# Altium PCB 2019.07.17.master.PcbDoc (part 2 of 6) (continued)
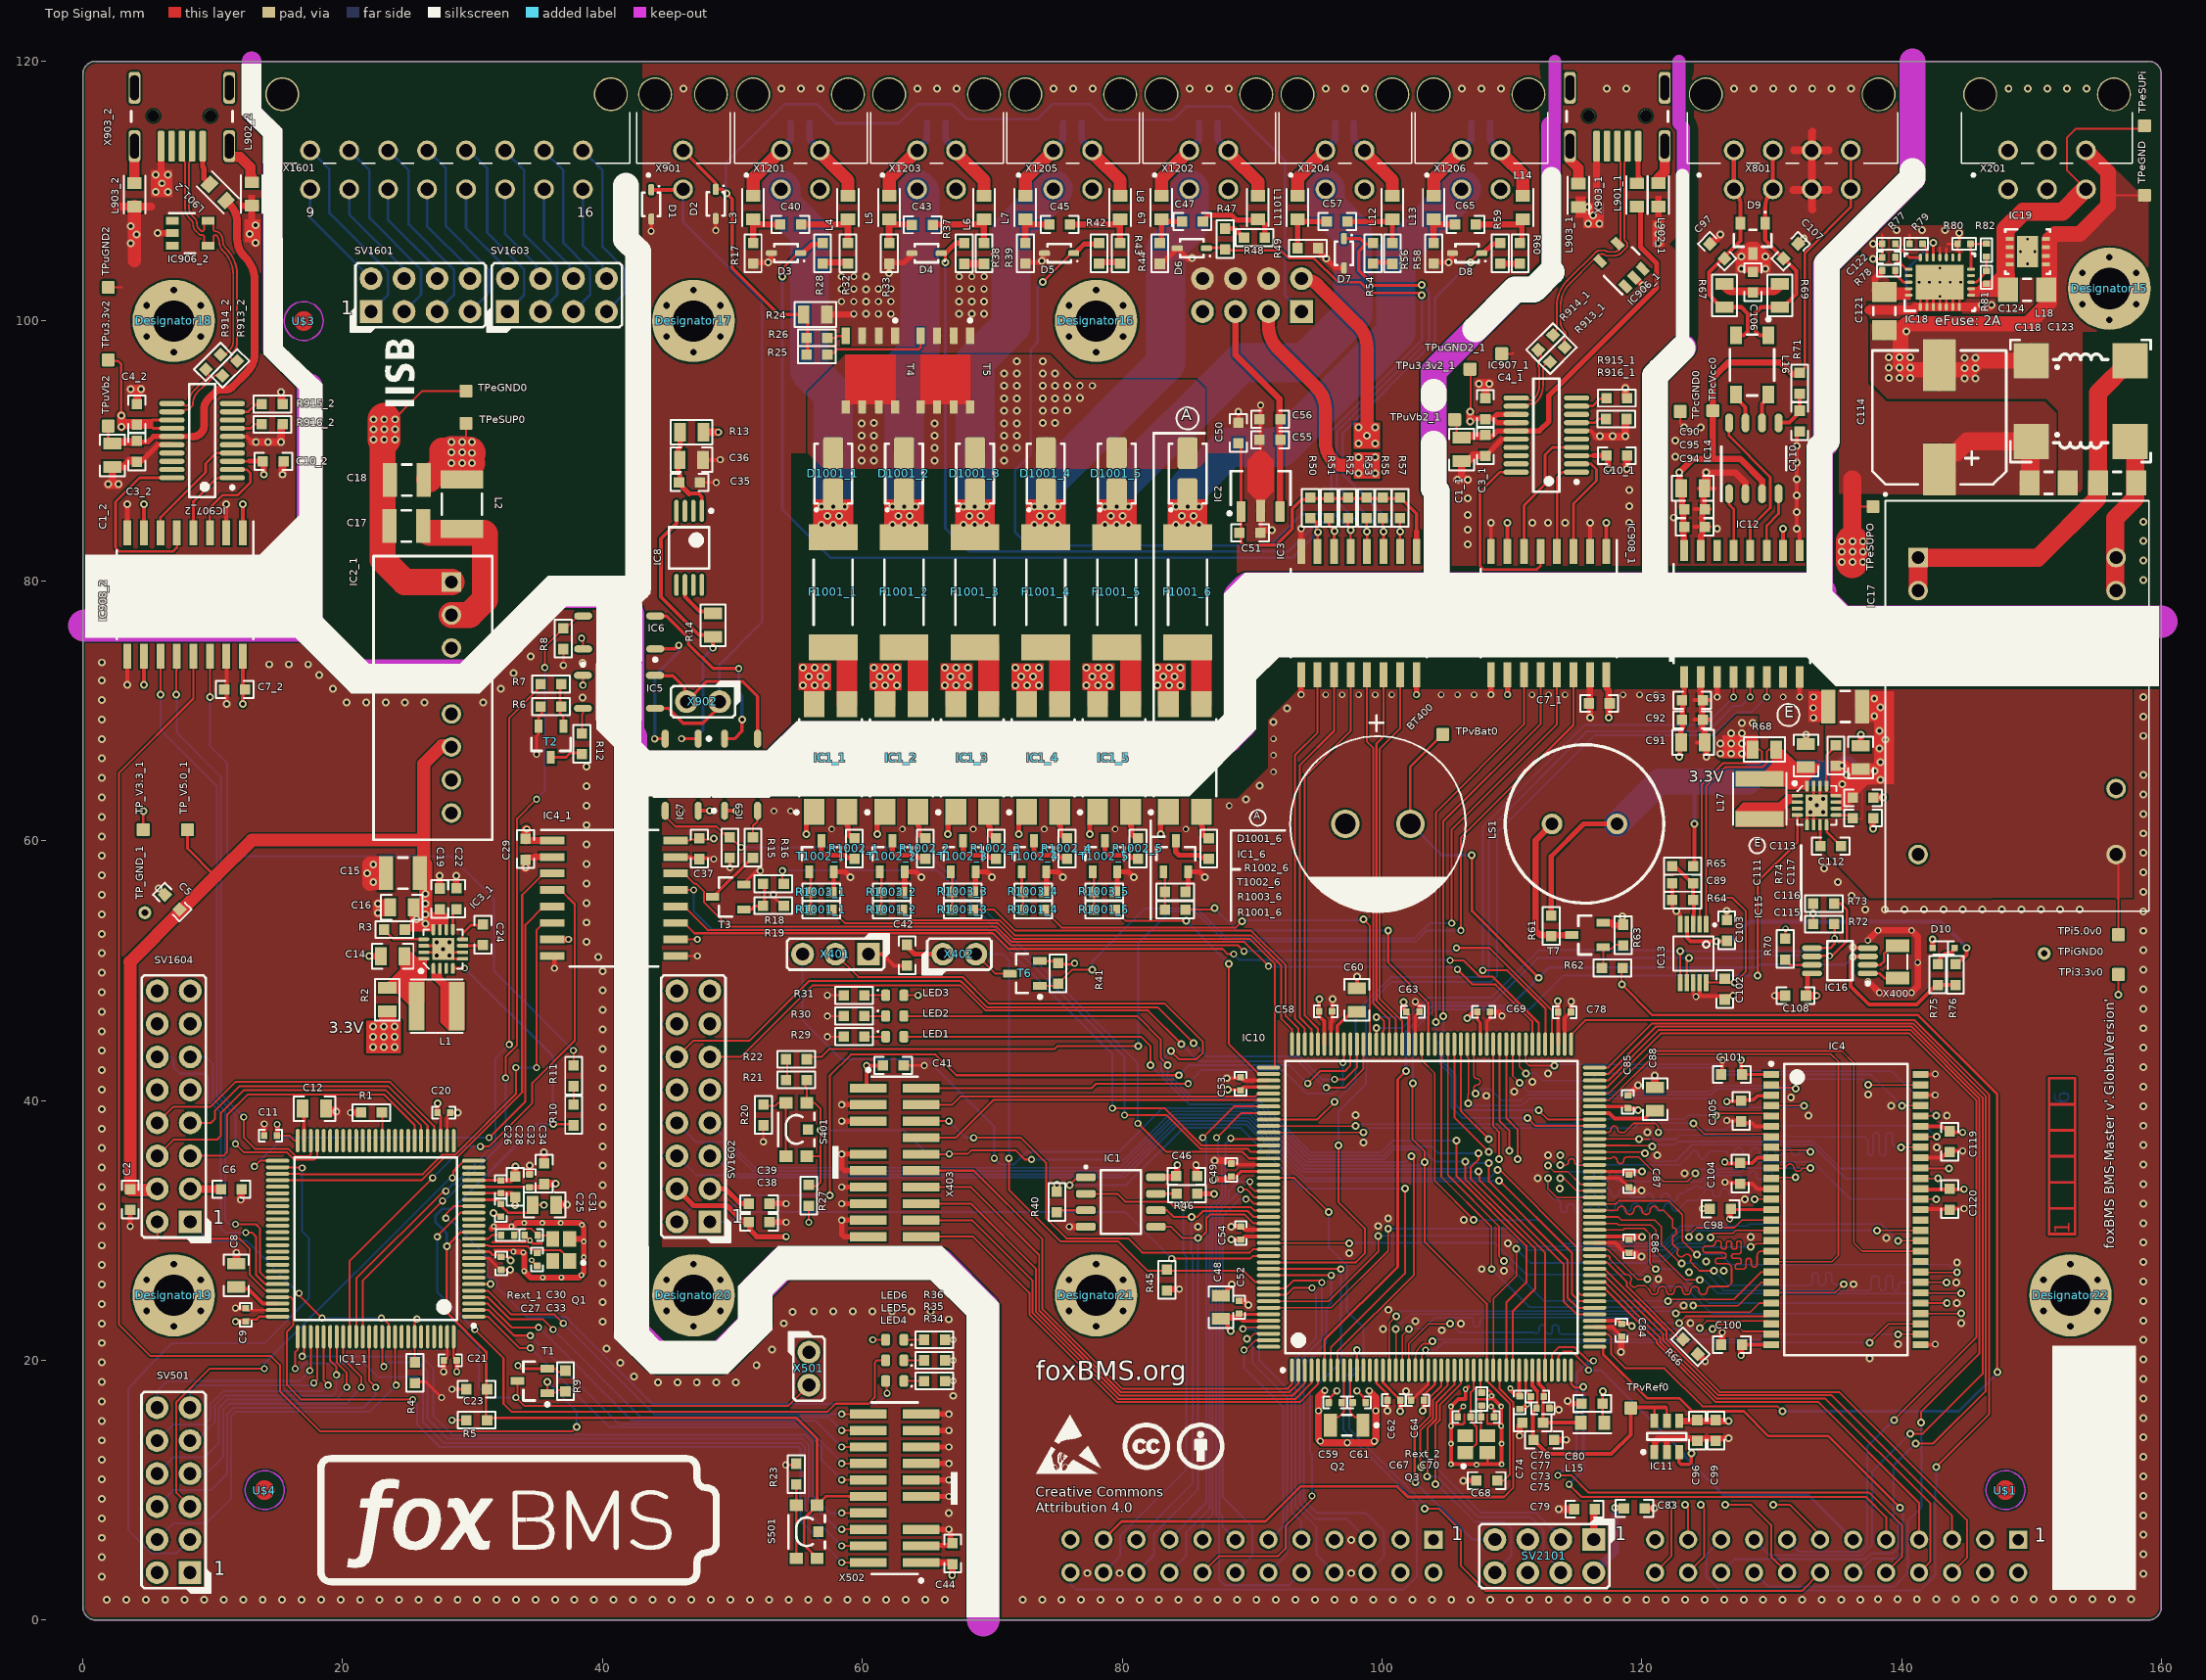
[diagram p0: Top Signal view]
## Footprints (in the part's own frame and the unit in brackets; to place one, negate y for a bottom-side part, rotate by r counter-clockwise, add the part's x,y. Pads: shape width x height; smd on the part's side, far side on the other; paste and mask are expansions set on the pad) (continued)
  oval 0.3x1.8 smd: 45(-10.75,-12.55) 46(-10.25,-12.55) 47(-9.75,-12.55) 48(-9.25,-12.55) 49(-8.75,-12.55) 50(-8.25,-12.55) 51(-7.75,-12.55) 52(-7.25,-12.55) 53(-6.75,-12.55) 54(-6.25,-12.55) 55(-5.75,-12.55) 56(-5.25,-12.55) 57(-4.75,-12.55) 58(-4.25,-12.55) 59(-3.75,-12.55) 60(-3.25,-12.55) 61(-2.75,-12.55) 62(-2.25,-12.55) 63(-1.75,-12.55) 64(-1.25,-12.55) 65(-0.75,-12.55) 66(-0.25,-12.55) 67(0.25,-12.55) 68(0.75,-12.55) 69(1.25,-12.55) 70(1.75,-12.55) 71(2.25,-12.55) 72(2.75,-12.55) 73(3.25,-12.55) 74(3.75,-12.55) 75(4.25,-12.55) 76(4.75,-12.55) 77(5.25,-12.55) 78(5.75,-12.55) 79(6.25,-12.55) 80(6.75,-12.55) 81(7.25,-12.55) 82(7.75,-12.55) 83(8.25,-12.55) 84(8.75,-12.55) 85(9.25,-12.55) 86(9.75,-12.55) 87(10.25,-12.55) 88(10.75,-12.55) 133(10.75,12.55) 134(10.25,12.55) 135(9.75,12.55) 136(9.25,12.55) 137(8.75,12.55) 138(8.25,12.55) 139(7.75,12.55) 140(7.25,12.55) 141(6.75,12.55) 142(6.25,12.55) 143(5.75,12.55) 144(5.25,12.55) 145(4.75,12.55) 146(4.25,12.55) 147(3.75,12.55) 148(3.25,12.55) 149(2.75,12.55) 150(2.25,12.55) 151(1.75,12.55) 152(1.25,12.55) 153(0.75,12.55) 154(0.25,12.55) 155(-0.25,12.55) 156(-0.75,12.55) 157(-1.25,12.55) 158(-1.75,12.55) 159(-2.25,12.55) 160(-2.75,12.55) 161(-3.25,12.55) 162(-3.75,12.55) 163(-4.25,12.55) 164(-4.75,12.55) 165(-5.25,12.55) 166(-5.75,12.55) 167(-6.25,12.55) 168(-6.75,12.55) 169(-7.25,12.55) 170(-7.75,12.55) 171(-8.25,12.55) 172(-8.75,12.55) 173(-9.25,12.55) 174(-9.75,12.55) 175(-10.25,12.55) 176(-10.75,12.55)
  silkscreen extent -12.67,-11.25 11.25,11.57, body extent -13,-13 13,13, height 1.6
TDK-ACT45B-510-2P-TL003-4_V [mm] "SMD, 4-Leads, Body 4.7x3.4mm, Pitch 2.5mm"
  rect 1.35x0.9 smd: 1(-2.275,1.25) 2(-2.275,-1.25) 3(2.275,-1.25) 4(2.275,1.25)
  silkscreen extent -3.62,-1.7 2.35,1.7, body extent -2.35,-1.7 2.35,1.7, height 3
Testpoint_D1V [mm] "Testpunkt, Via, rund 1mm"
  round 1 smd paste-0.5: 1(0,0)
  round 0.9 hole 0.5 mask-0.15: 1(0,0)
Testpoint_S1 [mm] "Testpunkt, quardratisch 1mm"
  rrect20% 1x1 smd paste-0.5: 1(0,0)
TSOP80P1180X120-54N [mm] "TSOP, 54-Leads, Body 22,22x10,16mm, Pitch 0,80mm, IPC Medium Density"
  rect 1.2x0.55 smd: 1(-5.75,10.4) 2(-5.75,9.6) 3(-5.75,8.8) 4(-5.75,8) 5(-5.75,7.2) 6(-5.75,6.4) 7(-5.75,5.6) 8(-5.75,4.8) 9(-5.75,4) 10(-5.75,3.2) 11(-5.75,2.4) 12(-5.75,1.6) 13(-5.75,0.8) 14(-5.75,0) 15(-5.75,-0.8) 16(-5.75,-1.6) 17(-5.75,-2.4) 18(-5.75,-3.2) 19(-5.75,-4) 20(-5.75,-4.8) 21(-5.75,-5.6) 22(-5.75,-6.4) 23(-5.75,-7.2) 24(-5.75,-8) 25(-5.75,-8.8) 26(-5.75,-9.6) 27(-5.75,-10.4) 28(5.75,-10.4) 29(5.75,-9.6) 30(5.75,-8.8) 31(5.75,-8) 32(5.75,-7.2) 33(5.75,-6.4) 34(5.75,-5.6) 35(5.75,-4.8) 36(5.75,-4) 37(5.75,-3.2) 38(5.75,-2.4) 39(5.75,-1.6) 40(5.75,-0.8) 41(5.75,0) 42(5.75,0.8) 43(5.75,1.6) 44(5.75,2.4) 45(5.75,3.2) 46(5.75,4) 47(5.75,4.8) 48(5.75,5.6) 49(5.75,6.4) 50(5.75,7.2) 51(5.75,8) 52(5.75,8.8) 53(5.75,9.6) 54(5.75,10.4)
  silkscreen extent -5.87,-11.2 4.75,11.35, body extent -5.88,-11.2 5.88,11.2, height 1.2
USOP-8 [mm]
  oval 1.55x0.45 smd paste-0.025: 1(-2.15,0.975) 2(-2.15,0.325) 3(-2.15,-0.325) 4(-2.15,-0.975) 5(2.15,-0.975) 6(2.15,-0.325) 7(2.15,0.325) 8(2.15,0.975)
  silkscreen extent -2.28,-1.5 0.97,1.87, body extent -1.5,-1.5 1.5,1.5, height 1.2
VAQE6W-Q24-S5-D [mm] "Isolated Module DC DC Converter 1 Output 5V 1.2A 9V - 36V Input"
  rect 1.508x1.508 hole 1: 2(0,0)
  round 1.508 hole 1: 3(2.54,0) 11(22.86,0) 14(22.86,15.24) 16(17.78,15.24) 22(2.54,15.24) 23(0,15.24)
  silkscreen extent -4.96,-2.61 27.23,17.77, body extent -4.46,-2.62 27.32,17.86, height 10.2
VISH-POWERPAKSO-8_V [mm] "SMD, 8-Leads, Body 6.15x5.155mm, Pitch 1.27mm"
  rect 1.27x0.61 smd: 1(-2.67,1.905) 2(-2.67,0.635) 3(-2.67,-0.635) 4(-2.67,-1.905)
  rect 1.02x0.61 smd: 5(2.795,-1.905) 6(2.795,-0.635) 7(2.795,0.635) 8(2.795,1.905)
  Top Signal region: -1.215,-1.955 2.595,-1.955 2.595,1.955 -1.215,1.955
  silkscreen extent -3.98,1.78 -3.73,2.03, body extent -3.08,-2.58 3.08,2.58, height 1.12
WE-LQS [mm]
  rect 1.2x3.7 smd: 1(-1.55,0) 2(1.55,0)
  silkscreen extent -2,-2.05 2,2.05, body extent -2,-2 2,2, height 1.8
WE-SL5 [mm] "Wurth WE-SL5 Common Mode Choke"
  rect 2.7x2.7 smd: 1(3.81,3.11) 2(-3.81,3.11) 3(-3.81,-3.11) 4(3.81,-3.11)
  silkscreen extent -5.4,-4.7 5.4,4.7, body extent -5,-4.35 5,4.35, height 5.96

## Part data
BT400: library part BATTERY_1, "Eaton 330mF, 5.5v, -20 to +80, Ultracapacitor, KW-5R5C334H-R", Capacitance=330mF, Manufacturer 1="Eaton - Electronics Division", Manufacturer Part Number 1=KW-5R5C334H-R, DBDesc="330m 5.5V super capacitor -40-+85degC 13.5mm 8.5mm tall, RoHS compliant (DUPLICATE OF ID#22645)", ID=27713, Pricing 1="400=2.49000, 800=2.39000, 1600=2.29000, 2400=2.29000, 4000=2.19000 (USD)", RoHS=No, Stock 1=0, Supplier 1=Avnet, Supplier Part Number 1=KW-5R5C334H-R
C1_1 C1_2 C31 C48: library part gen_C_ceramic_4u7_16V_X7R_0805, "Ceramic, 4.7µF, ±10%, 16V, X7R, –55 to 125°C, 0805 (2012),RoHS, Automotive", Capacitance=4u7, Case EIA=0805, Case Metric=2012, Dielectric=X7R, Manufacturer=Murata, Manufacturer_Part_Number=GCJ21BR71C475KA01, Operating Temperature="–55 to 125°C", PnP Package=C_0805_10, PnP Value=4.7µF/16V/X7R, Rated Voltage=16V, Supplier Part Number 1=490-10557-1-ND, Tolerance=±10%, Automotive Qualified=True, AVT Set=x, Height - Seated (Max)=1.25mm, Mounting Type=SurfaceMount,MLCC, Part Number=GCJ21BR71C475KA01, Series=GCJ, Supplier 1=Digi-Key
C2 C3_1 C3_2 C4_1 C4_2 C5 C6 C7_1 C7_2 C10_1 C10_2 C23 C29 C35 C37 C38 C39 C40 C41 C42 C43 C44 C45 C46 C47 C50 C51 C55 C57 C65 C68 C79 C83 C93 C94 C96 C98 C100 C101 C102 C104 C105 C108 C110 C119 C120 C1201 C1203 C1205 C1207 C1209 C1211: library part gen_C_ceramic_100n_50V_X7R_0603, "Ceramic, 100nF, ±10%, 50V, X7R, –55 to 125°C, 0603 (1608),RoHS, Automotive", Capacitance=100n, Case EIA=0603, Case Metric=1608, Dielectric=X7R, Manufacturer=Murata, Manufacturer_Part_Number=GCJ188R71H104KA12, Operating Temperature="–55 to 125°C", PnP Package=C_0603_10, PnP Value=100nF/50V/X7R, Rated Voltage=50V, Supplier Part Number 1=490-5798-1-ND, Tolerance=±10%, Automotive Qualified=True, Height - Seated (Max)=0.8mm, Mounting Type=SurfaceMount,MLCC, Part Number=GCJ188R71H104KA12, Series=GCJ, Supplier 1=Digi-Key
  C2 C3_1 C3_2 C4_1 C4_2 C5 C6 C7_1 C7_2 C10_1 C10_2 C23 C29 C35 C37 C38 C39 C40 C41 C42 C43 C44 C45 C46 C47 C50 C51 C55 C57 C65 C68 C79 C83 C93 C94 C96 C98 C100 C101 C104 C105 C110 C119 C120 C1201 C1203 C1205 C1207 C1209 C1211: PnP equipped=x
C8 C12 C36 C60 C88: library part gen_C_ceramic_2u2_50V_X7R_0805, "Ceramic, 2.2µF, ±10%, 25V, X7R, –55 to 125°C, 0805 (2012),RoHS, Automotive", Capacitance=2u2, Case EIA=0805, Case Metric=2012, Dielectric=X7R, Manufacturer=Murata, Manufacturer_Part_Number=GCJ21BR71E225KA01, Operating Temperature="–55 to 125°C", PnP Package=C_0805_10, PnP Value=2.2µF/25V/X7R, Rated Voltage=25V, Tolerance=±10%, Automotive Qualified=True, Height - Seated (Max)=1.25mm, Mounting Type=SurfaceMount,MLCC, Part Number=GCJ21BR71E225KA01, Series=GCJ
C9 C11 C20 C21 C25 C26 C27 C32 C49 C52 C53 C54 C58 C62 C63 C64 C69 C74 C76 C77 C78 C84 C85 C86 C87: library part gen_C_ceramic_100n_50V_X7R_0402, "Ceramic, 100nF, ±10%, 50V, X7R, –55 to 125°C, 0402 (1005),RoHS, Automotive", Capacitance=100n, Case EIA=0402, Case Metric=1005, Dielectric=X7R, Manufacturer=Murata, Manufacturer_Part_Number=GCM155R71H104KE02, Operating Temperature="–55 to 125°C", PnP Package=C_0402_10, PnP Value=100nF/50V/X7R, Rated Voltage=50V, Supplier Part Number 1=490-10672-1-ND, Tolerance=±10%, Automotive Qualified=True, Height - Seated (Max)=0.5mm, Mounting Type=SurfaceMount,MLCC, Part Number=GCM155R71H104KE02, PnP equipped=x, Series=GCM, Supplier 1=Digi-Key
C14 C16 C90 C91 C111 C117: library part gen_C_ceramic_10u_10V_X7R_0805, "Ceramic, 10µF, ±10%, 10V, X7R, –55 to 125°C, 0805 (2012),RoHS, Automotive", Capacitance=10µF, Case EIA=0805, Case Metric=2012, Dielectric=X7R, Manufacturer=Murata, Manufacturer_Part_Number=GCJ21BR71A106KE01, Operating Temperature="–55 to 125°C", PnP Package=C_0805_10, PnP Value=10µF/10V/X7R, Rated Voltage=10V, Supplier Part Number 1=490-12646-1-ND, Tolerance=±10%, Automotive Qualified=True, Height - Seated (Max)=1.25mm, Mounting Type=SurfaceMount,MLCC, Part Number=GCJ21BR71A106KE01, Series=GCJ, Supplier 1=Digi-Key
C15 C17 C18 C113: library part gen_C_ceramic_10u_25V_X7R_1210, "Multilayer Ceramic Capacitor, 50 V, -55 to 125 degC, 2-Pin SMD (1210), RoHS, Tape and Reel", Capacitance=10uF, Case Code - in=1210, Case Code - mm=3225, Dielectric=X7R, Manufacturer=AVX, Maximum Operating Temperature=+125C, Minimum Operating Temperature=-55C, Operating Temperature="–55 to 125°C", Operating Temperature Range=-55Cto+125C, Package / Case=1210(3225metric), Package Description="2-Pin Surface Mount Device, Body 3.2 x 2.5 mm", PnP Package=C_1210_10, PnP Value=10µF/25V/X7R, Rated Voltage=25V, Temperature Coefficient / Code=+/-15%, Tolerance=10%, Voltage Rating=50V, Automotive Qualified=True, Brand=AVX, Case EIA=1210, Case Metric=3225, Datasheet URL=http://www.farnell.com/datasheets/1818074.pdf, Datasheet Version=03/2014, Factory Pack Quantity=1000, Load Life=1000h, Manufacturer URL=http://www.avx.com/, Mounting Technology=SurfaceMount, Package Reference=1210, Packaging=Reel, Product=GeneralTypeMLCCs, Product Category=MultilayerCeramicCapacitorsMLCC-SMD/SMT, RoHS=Details, Termination Style=SMD/SMT, TYPE=CommercialSurfaceMountChip, Voltage Rating DC=50V
C19 C28 C34 C56 C73 C75 C80 C92 C95 C99 C116: library part gen_C_ceramic_1u_25V_X7R_0603, "Ceramic, 1.0µF, ±10%, 25V, X7R, –55 to 125°C, 0603 (1608),RoHS, Automotive", Capacitance=1µF, Case EIA=0603, Case Metric=1608, Dielectric=X7R, Manufacturer=Murata, Manufacturer_Part_Number=GCJ188R71E105KA01, Operating Temperature="–55 to 125°C", PnP Package=C_0603_10, PnP Value=1.0µF/25V/X7R, Rated Voltage=25V, Supplier Part Number 1=490-14409-1-ND, Tolerance=±10%, Automotive Qualified=True, Height - Seated (Max)=0.8mm, Mounting Type=SurfaceMount,MLCC, Part Number=GCJ188R71E105KA01, Series=GCJ, Supplier 1=Digi-Key
C22 C24 C89 C103 C112 C115: library part gen_C_ceramic_10n_50V_X7R_0603, "Ceramic, 10nF, ±10%, 50V, X7R, –55 to 125°C, 0603 (1608),RoHS, Automotive", Capacitance=10n, Case EIA=0603, Case Metric=1608, Dielectric=X7R, Manufacturer=Murata, Manufacturer_Part_Number=GCJ188R71H102KA01, Operating Temperature="–55 to 125°C", PnP Package=C_0603_10, PnP Value=10nF/50V/X7R, Rated Voltage=50V, Supplier Part Number 1=490-5768-1-ND, Tolerance=±10%, Automotive Qualified=True, Height - Seated (Max)=0.8mm, Mounting Type=SurfaceMount,MLCC, Part Number=GCJ188R71H102KA01, Series=GCJ, Supplier 1=Digi-Key
C30 C33 C59 C61 C67 C70: library part gen_C_ceramic_18p_50V_C0G_0402, "Ceramic, 18pF, ±5%, 50V, X7R, 25 to 125°C, 0402 (1005),RoHS, Automotive", Capacitance=18p, Case EIA=0402, Case Metric=1005, Dielectric=C0G, Manufacturer=Murata, Manufacturer_Part_Number=GCM1555C1H180JA16#, Operating Temperature="25 to 125°C", PnP Package=C_0402_10, PnP Value=18pF/50V/X7R, Rated Voltage=50V, Supplier Part Number 1=490-12650-1-ND, Tolerance=±5%, Automotive Qualified=True, Height - Seated (Max)=0.5mm, Mounting Type=SurfaceMount,MLCC, Part Number=GCM1555C1H180JA16#, Series=GCM, Supplier 1=Digi-Key
C97 C107: library part gen_C_ceramic_68p_100V_X7R_0603, "Ceramic, 68pF, ±5%, 100V, X7R, 25 to 125°C, 0603 (1608),RoHS, Automotive", Capacitance=68p, Case EIA=0603, Case Metric=1608, Dielectric=X7R, Manufacturer=Murata, Manufacturer_Part_Number=GCM1885C2A680JA16, Operating Temperature="25 to 125°C", PnP Package=C_0603_05, PnP Value=68pF/100V/X7R, Rated Voltage=100V, Supplier Part Number 1=490-4945-1-ND, Tolerance=±5%, Automotive Qualified=True, Height - Seated (Max)=0.8mm, Mounting Type=SurfaceMount,MLCC, Part Number=GCM1885C2A680JA16, Series=GCM, Supplier 1=Digi-Key
C106: library part gen_C_ceramic_4n7_50V_X7R_0603, "Ceramic, 4700pF, 0603, ±5%, 50V, C0G", Capacitance=4700p, Case EIA=0603, Case Metric=1608, Dielectric=C0G, Part Number=GRT1885C1H472JA02, PnP Package=C_0603_05, PnP Value=4700pF/50V/C0G, Rated Voltage=50V, Automotive Qualified=True
C114: library part CMP-0926-00001-1, "Aluminum Electrolytic Capacitor, Low Impedance, 1000 uF +/- 20%, 16 V, -55 to 105 degC, 2-Pin 10.3 x 10.3 x 13.5 mm SMD, RoHS, Reel", Capacitance=1000uF, Capacitance Tolerance="+/- 20%", Category Temperature Range="-55 to 105 degC", Leakage Current="160 uA", Manufacturer=Nichicon, Rated Capacitance="1000 uF", Rated Ripple Current (at 100 kHz)="1190 mA", Rated Voltage="16 V", ComponentLink1Description="Manufacturer URL", ComponentLink1URL=www.nichicon.com, ComponentLink2Description=Datasheet, ComponentLink2URL=http://nichicon-us.com/english/products/pdfs/e-cl.pdf, DatasheetVersion=Sep-13, Impedance="0.06 ohm", Mounting Technology="Surface Mount", PackageDescription="2-Pin SMD, Body 10.3 x 10.3 mm, Height 14.3 mm", PackageReference=UCL-10x13.5-2, Packing=Reel, Part Number=UCL1C102MNL1GS, PartNumber=UCL1C102MNL1GS, Polarity Type=Polar, RoHS=TRUE
C118 C121 C123 C124: library part gen_C_ceramic_1u_100V_X7R_1206, "Chip Capacitor, 1 uF, +/- 10%, 100 V, -55 to 125 degC, 1206 (3216 Metric), RoHS, Tape and Reel", Capacitance=1µF, Case EIA=1206, Dielectric=X7R, Manufacturer=Murata, Operating Temperature=-55degC~125degC, Package / Case=1206(3216Metric), Package Description="2-Pin Surface Mount Device, Body 3.2 x 1.6 mm", PnP Package=C_1206_10, PnP Value=1.0µF/100V/X7R, Rated Voltage=100V, Ratings=-, Standard Package=1, Tolerance=±10%, Applications=GeneralPurpose, Catalog Drawings=GRMSeries_1206_1.6, Category=Capacitors, Datasheet URL=https://datasheet.ciiva.com/29199/454987-da-01-en-vs-kondensator-1206-29199435.pdf, Datasheet Version=Sep-11, Family=CeramicCapacitors, Featured Product=GA3SafetyRecognizedCapsandHi-CapMLCC, Features=-, Height - Seated (Max)=-, Lead Spacing=-, Lead Style=-, Manufacturer URL=http://www.murata.com/, Mounting Type=SurfaceMount,MLCC, Online Catalog=GRMSeries, Other Names=490-3909-6, Package Reference=1206, Packaging=Digi-Reel, Product Training Modules=High-CapMultilayerCeramicCapacitors, Series=GRM, Size / Dimension="0.126\"Lx0.063\"W(3.20mmx1.60mm)", Temperature Coefficient=X7R, Thickness (Max)="0.071\"(1.80mm)", Voltage - Rated=100V
C122: library part gen_C_ceramic_10n_50V_X7R_0402, "Ceramic, 10nF, ±10%, 50V, X7R, –55 to 125°C, 0402 (1005),RoHS, Automotive", Capacitance=10n, Case EIA=0402, Case Metric=1005, Dielectric=X7R, Part Number=GRT155R71H104KE01, PnP Package=C_0402_10, PnP Value=10n/50V/X7R, Rated Voltage=50V, Automotive Qualified=True
D1 D2: "Zener Diode", Breakdown Voltage=12V, Manufacturer="ON Semiconductor", PnP Package=SOD323, Supplier Part Number 1=1431191, Automotive Qualified=True, ComponentLink1Description=Datasheet, ComponentLink1URL=http://www.farnell.com/datasheets/1876691.pdf, Part Name=MM3Z12VT1G, Part Number=MM3Z12VT1G, Supplier 1=Farnell, Supplier 2=Digikey, Supplier 3=Mouser, Supplier Part Number 2=MM3Z12VT1GOSCT-ND, Supplier Part Number 3=863-MM3Z12VT1G
D3 D4 D5 D6 D7 D8: "TVS Diode, CDSOD323 Series, Unidirectional, 5 V, 18.3 V, SOD-323, 2 Pins", Breakdown Voltage=6V, Manufacturer=Bourns, Operating Temperature="-55°C - +150°C", Supplier Part Number 1=2341914, Automotive Qualified=False, ComponentLink1Description=Datasheet, ComponentLink1URL=http://www.farnell.com/datasheets/1845299.pdf, Part Name=CDSOD323-T05, Part Number=CDSOD323-T05, Supplier 1=Farnell
D9: library part CMP-2000-04916-1, "CAN Bus ESD Protection Diode, 200 W, 24 V, -65 to 150 degC, 3-Pin SOT23, RoHS, Tape and Reel", Breakdown Voltage=27.8V, Breakdown Voltage Max=30.3V, Breakdown Voltage Min=25.4V, Breakdown Voltage Range=25.4Vto30.3V, Capacitance Cd @ Vr Max=17pF, Capacitance Cd @ Vr Typ=11pF, Clamping Voltage @ 8/20µs Max=70V, Diode Case Style=SOT-23, Manufacturer="NXP Semiconductors", Operating Temperature Max=150degC, Operating Temperature Min=-65degC, Operating Temperature Range=-65degCto+150degC, Peak Pulse Current Ippm=3A, Peak Pulse Power=200W, Reverse Stand-Off Voltage Vrwm=24V, Breakover Voltage Min=25.4V, Clamping Voltage Vc Max=70V, Datasheet URL=https://datasheet.ciiva.com/22692/109497-22692467.pdf, Datasheet Version="Rev. 04, 02/2008", Diode Configuration=Bidirectional, Diode Type=BidirectionalTVS, Manufacturer URL=http://www.nxp.com/, No. of Pins=3, Package / Case=SOT-23, SMD Marking=AN, Stand-off Voltage=24V, SVHC=NoSVHC(20-Jun-2013), Termination Type=SMD, TVS Polarity=Bidirectional
D10: library part DIODE_SCHTKY, "'''BAT41 Schottky diode, small signal''' / - If(avg) = 200mA, Vf(max) = 1V@200mA / - Vr(max) = 100V, Ir = 100nA@50V, 25deg / - SOD-523 package, RoHS compliant", DBDesc="do not populate, RoHS compliant", ID=908, Preffered ID=20995
D1001_1 D1001_2 D1001_3 D1001_4 D1001_5 D1001_6: "Standard Recovery Diode, 100 V, 1 A, Single, 1 V, 2 µs, 30 A", Breakdown Voltage=100V, Continuous Forward Current=1A, Manufacturer="ON Semiconductor", Operating Temperature="-65°C - +175°C", Part Name=GF1B, Supplier Part Number 1=1467477, Automotive Qualified=False, ComponentLink1Description=Datasheet, ComponentLink1URL=http://www.farnell.com/datasheets/2303965.pdf, Part Number=d_si_sma_1A, Supplier 1=Farnell
Designator15 Designator16 Designator17: library part Hole_3.2_Iso
F1001_1 F1001_2 F1001_3 F1001_4 F1001_5 F1001_6: "Schurter SMD Fuse 4.0A UMT 3403.0172.11", Manufacturer=Schurter, Operating Temperature="-55°C - +125°C", Supplier Part Number 1=486-1253-ND, Automotive Qualified=False, ComponentLink1Description="Catalog Page Digikey", ComponentLink1URL=http://dkc3.digikey.com/PDF/DE2011-DE/P2352.pdf, Part Number=fuse_4A_3403.0172.11, Supplier 1=Digikey, Supplier 2=Mouser, Supplier Part Number 2=693-3403.0172.11
IC1: library part M95M02-DRMN6TP, "FRAM (Ferroelectric RAM) Memory IC 2Mb (256K x 8) SPI 40MHz 8-SOP", Manufacturer="Fujitsu Electronics America, Inc.", Operating Temperature="-40°C - +85°C", PnP Package=SOIC-8, Supplier Part Number 1=865-1286-1-ND, Automotive Qualified=False, ComponentLink1Description=Datasheet, ComponentLink1URL=http://www.st.com/resource/en/datasheet/m95m02-dr.pdf, Part Name=MB85RS2MTAPNF-G-BDERE1, Part Number=MB85RS2MTAPNF-G-BDERE1, Supplier 1=Digikey
IC1_1 IC1_2 IC1_3 IC1_4 IC1_5 IC1_6: "PhotoMOS GU 1 Form A, 60 V Load Voltage, 1.1 A Continuous Load Current, -40 to 85 degC, 4-Pin DIP(SMT), Tube, RoHS", Continuous Load Current="1.1 A", Load Voltage="60 V", Manufacturer=Panasonic, On Resistance (Typ)="0.34 Ohm", ComponentLink1Description="Manufacturer URL", ComponentLink1URL=http://www3.panasonic.biz/ac/ae/index.jsp, ComponentLink2Description=Datasheet, ComponentLink2URL=http://www3.panasonic.biz/ac/e_download/control/relay/photomos/catalog/semi_eng_gu1a_aqy21_g.pdf, ComponentLink3Description="Package Specification", ComponentLink3URL=http://www3.panasonic.biz/ac/e_download/control/relay/photomos/catalog/semi_eng_dimensions.pdf?f_cd=401560, DatasheetVersion=201404-T, Mounting Technology="Surface Mount", PackageDescription="4-Pin Surface Mount Terminal Package, Body 4.78 x 6.4 mm, Pitch 2.54mm", PackageReference=DIP4(SMT), PackageVersion="ASCTB67E, 04/2014", Packing=Tube, Part Number=AQY212GHA, PartNumber=AQY212GHA, Pb-Free=True, RoHS=True, Series="PhotoMOS GU 1 Form A"
IC1_1: library part CMP-0243-00030-2, "ARM Cortex-M4 32-bit MCU+FPU, 225 DMIPS, 2048 kB Flash, 256 kB Internal RAM, 82 I/Os, 100-pin LQFP, -40 to 85 degC, Tray", I/Os (High Current)=82, Manufacturer=STMicroelectronics, Operating Frequency(F) (Processor speed) (MHz)=180, Supply Voltage(Vcc) max (V)=3.6, Supply Voltage(Vcc) min (V)=1.8, ComponentLink1Description="Manufacturer URL", ComponentLink1URL=http://www.st.com/web/en/home.html, ComponentLink2Description=Datasheet, ComponentLink2URL=http://www.st.com/st-web-ui/static/active/en/resource/technical/document/data_brief/DM00053488.pdf, ComponentLink3Description="Package Specification", ComponentLink3URL=http://www.st.com/st-web-ui/static/active/en/resource/technical/document/data_brief/DM00071938.pdf, Core="ARM Cortex-M4", D/A Converter=2x12-bit, DatasheetVersion="Rev. 2", FLASH Size (Prog) (kB)=2048, Internal RAM Size (kB)=256, Mounting Technology="Surface Mount", PackageDescription="100-Pin Low Profile Quad Flat Package, 14 x 14 mm Body, 0.5 mm Pitch", PackageReference=LQFP100, PackageVersion="Rev. 1, 06/2013", Packing=Tray, Part Number=STM32F429VIT6, PartNumber=STM32F429VIT6
IC2: library part CMP-2000-07341-1, "Positive-Voltage Regulator, 100 mA, 0 to 125 degC, 3-Pin SOT-89 (PK), Green (RoHS & no Sb/Br), Tape and Reel", Input Voltage MAX=20V, Input Voltage MIN=7V, Manufacturer=TexasInstruments, Maximum Operating Temperature=+125C, Minimum Operating Temperature=0C, Output Current=100mA, Output Voltage=5V, Package / Case=SOT-89-4, Package Description="3-Pin Small Outline Transistor, Body 4.5 x 2.5 mm, Pitch 1.5 mm", Package Reference=PK0003A, Brand=TexasInstruments, Datasheet URL=http://www.ti.com/lit/ds/symlink/ua78l05.pdf, Datasheet Version="Rev. U, 05/2011", Line Regulation=200mV, Load Regulation=60mV, Manufacturer URL=http://www.ti.com/, Mounting Style=SMD/SMT, Mounting Technology=SurfaceMount, Number of Outputs=1, Output Type=Fixed, Package URL=http://www.ti.com/lit/ml/mhsi001b/mhsi001b.pdf, Packaging=Reel, Part Number=UA78L05CPK, Polarity=Positive, Product Category=LinearVoltageRegulators, PSRR / Ripple Rejection - Typ=49dB, RoHS=True, Series=UA78L05